# KiCad board ddr5-testbed.kicad_pcb
date: 2024-05-27; rev: 1.1.2
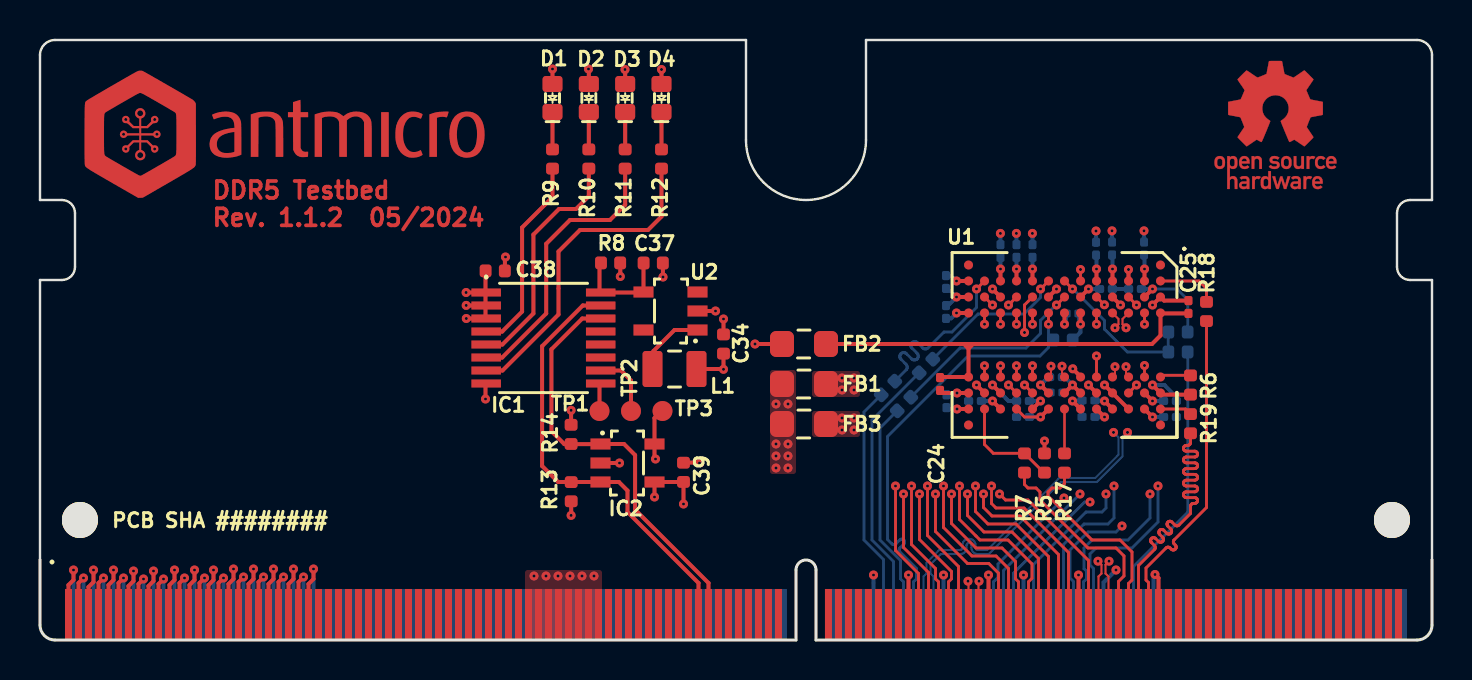
[diagram p0: board, top side]
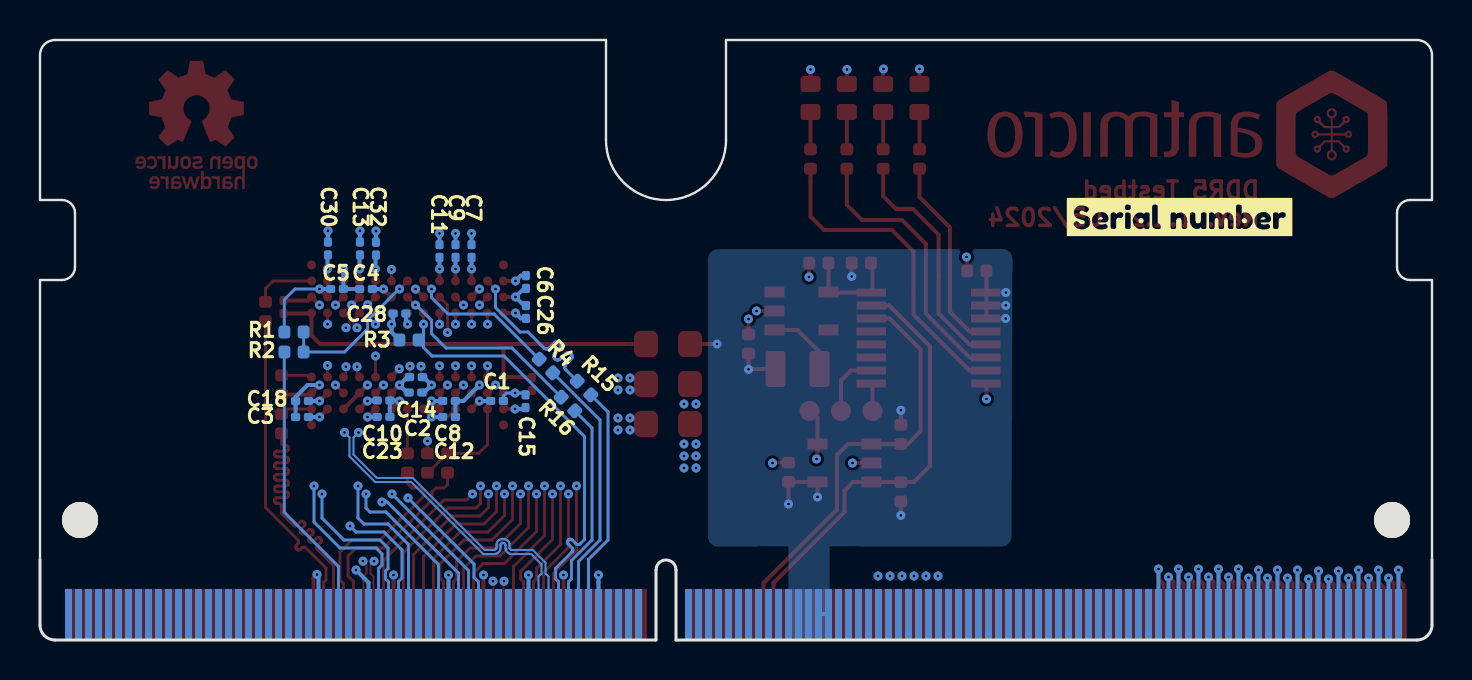
[diagram p1: board, bottom side, seen from below]

Outline 69.6 x 30 mm; copper layers: Top, In1.Cu (plane), In2.Cu (plane), In3.Cu, In4.Cu, Bottom. Coordinates in mm from the lower left corner of the outline.
Outline path: 0,4 0,18 1.1,18 arc(1.56,18.19) 1.75,18.65 1.75,21.35 arc(1.56,21.81) 1.1,22 0,22 0,29.25 arc(0.22,29.78) 0.75,30 35.3,30 35.3,25 arc(38.3,22) 41.3,25 41.3,30 68.85,30 arc(69.38,29.78) 69.6,29.25 69.6,22 68.5,22 arc(68.04,21.81) 67.85,21.35 67.85,18.65 arc(68.04,18.19) 68.5,18 69.6,18 69.6,4
Stack: Top 0.018mm / dielectric 0.11mm FR4 er 4.3 / In1.Cu 0.018mm / dielectric 0.4mm FR4 er 4.3 / In2.Cu 0.018mm / dielectric 0.11mm FR4 er 4.3 / In3.Cu 0.018mm / dielectric 0.4mm FR4 er 4.3 / In4.Cu 0.018mm / dielectric 0.11mm FR4 er 4.3 / Bottom 0.018mm

## Placement (name value [footprint] x y rotation side)
C1  C_100n_0201  [C_0201]  46.75 11.95 180 bottom
C2  C_100n_0201  [C_0201]  50.82 12.38 180 bottom
C3  C_100n_0201  [C_0201]  56.5 11.15 0 bottom
C4  C_100n_0201  [C_0201]  53.3 17.55 0 bottom
C5  C_100n_0201  [C_0201]  54.75 17.55 180 bottom
C6  C_100n_0201  [C_0201]  45.3 17.9 270 bottom
C7  C_100n_0201  [C_0201]  48.02 19.45 90 bottom
C8  C_100n_0201  [C_0201]  49.15 11.95 180 bottom
C9  C_100n_0201  [C_0201]  48.82 19.45 90 bottom
C10  C_100n_0201  [C_0201]  52.43 11.97 180 bottom
C11  C_100n_0201  [C_0201]  49.62 19.45 90 bottom
C12  C_100n_0201  [C_0201]  49.15 11.15 180 bottom
C13  C_100n_0201  [C_0201]  53.6 19.58 90 bottom
C14  C_100n_0201  [C_0201]  50.8 13.14 180 bottom
C15  C_100n_0201  [C_0201]  45.32 11.94 90 bottom
C18  C_100n_0201  [C_0201]  56.5 11.95 0 bottom
C23  C_100n_0201  [C_0201]  52.43 11.15 180 bottom
C24  C_100n_0201  [C_0201]  45 12.8 270 top
C25  C_100n_0201  [C_0201]  57.43 16.65 90 top
C26  C_100n_0201  [C_0201]  45.3 16.4 90 bottom
C28  C_100n_0201  [C_0201]  51.62 16.33 0 bottom
C30  C_100n_0201  [C_0201]  55.2 19.58 90 bottom
C32  C_100n_0201  [C_0201]  52.8 19.57 90 bottom
C34  C_4u7_0402  [C_0402_1005Metric]  34.18 14.8 90 top
C37  C_4u7_0402  [C_0402_1005Metric]  30.66 18.85 0 top
C38  C_100n_0402  [C_0402_1005Metric]  22.76 18.45 0 top
C39  C_100n_0402  [C_0402_1005Metric]  32.18 8.39 90 top
D1  LED_G_0603_KP-1608CGCK  [LED_0603_1608Metric_G]  25.62 27.1 90 top
D2  LED_G_0603_KP-1608CGCK  [LED_0603_1608Metric_G]  27.44 27.1 90 top
D3  LED_G_0603_KP-1608CGCK  [LED_0603_1608Metric_G]  29.26 27.1 90 top
D4  LED_G_0603_KP-1608CGCK  [LED_0603_1608Metric_G]  31.07 27.1 90 top
FB1  FB_220Z_1.5A_WE-CBF_0805  [FB_0805_2012Metric]  38.2 12.8 0 top
FB2  FB_220Z_1.5A_WE-CBF_0805  [FB_0805_2012Metric]  38.2 14.8 0 top
FB3  FB_220Z_1.5A_WE-CBF_0805  [FB_0805_2012Metric]  38.2 10.8 0 top
IC1  PCA6408A_TSSOP  [TSSOP-16_4.4x5mm_P0.65mm]  25.12 15.1 0 top
IC2  AT24CS01_SOT23  [SOT-23-5]  29.38 8.85 0 top
J1  -  [PCB-Edge_SODIMM_2x130_DDR4]  0 0 0 top
kibuzzard-623AE55E  G***  [label]  12.62 21.15 180 bottom
L1  L_2.2u_1.5A_0806  [L_0806_2016Metric]  31.72 13.55 180 top
N1  antmicro_logo  [antmicro-logo_scaled_20mm]  12.22 25.1 0 top
N2  oshw_logo  [oshw-logo]  61.78 25.75 0 top
R1  R_1k_0402  [R_0402_1005Metric]  56.9 15.4 180 bottom
R2  R_0R_0402  [R_0402_1005Metric]  56.9 14.4 0 bottom
R3  R_10k_0402  [R_0402_1005Metric]  51.15 15 0 bottom
R4  R_0R_0402  [R_0402_1005Metric]  44.3 13.7 225 bottom
R5  R_1k_0402  [R_0402_1005Metric]  50.22 8.85 270 top
R6  R_240R_0402  [R_0402_1005Metric]  57.53 12.75 270 top
R7  R_0R_0402  [R_0402_1005Metric]  49.22 8.85 270 top
R8  R_0R_0402  [R_0402_1005Metric]  28.53 18.86 180 top  (not fitted)
R9  R_220R_0402  [R_0402_1005Metric]  25.62 24.05 90 top
R10  R_220R_0402  [R_0402_1005Metric]  27.44 24.05 90 top
R11  R_220R_0402  [R_0402_1005Metric]  29.26 24.05 90 top
R12  R_220R_0402  [R_0402_1005Metric]  31.07 24.05 90 top
R13  R_10k_0402  [R_0402_1005Metric]  26.56 7.42 90 top
R14  R_10k_0402  [R_0402_1005Metric]  26.56 10.28 270 top
R15  R_0R_0402  [R_0402_1005Metric]  42.4 12.6 225 bottom
R16  R_0R_0402  [R_0402_1005Metric]  43.2 11.8 225 bottom
R17  R_0R_0402  [R_0402_1005Metric]  51.22 8.85 270 top
R18  R_0R_0402  [R_0402_1005Metric]  58.32 16.42 270 top
R19  R_0R_0402  [R_0402_1005Metric]  57.53 10.81 270 top
TP1  TP_1mm_SMD  [TP_SMD_1mm]  27.97 11.45 0 top
TP2  TP_1mm_SMD  [TP_SMD_1mm]  29.55 11.45 0 top
TP3  TP_1mm_SMD  [TP_SMD_1mm]  31.12 11.45 0 top
U1  MT60B2G8HB-48B_A  [BGA-82_11x9mm_Layout13x11_P0.8mm_DDR5_MO-210-AN]  51.22 14.75 270 top
U2  TPS613221A_SOT-23-5  [SOT-23-5]  31.53 16.45 180 top

## Library data of the parts
C1-C15 C18 C23-C26 C28 C30 C32 = -: Description: SMD Multilayer Ceramic Capacitor, 0.1 µF, 6.3 V, 0201 [0603 Metric], ± 10%, X6S, CC Series; Author: Antmicro; License: Apache-2.0; MPN: CC0201KRX6S5BB104; Manufacturer: YAGEO; Public: False; Val: 100n
C34 C37 = -: Author: Antmicro; License: Apache-2.0; MPN: GRM155R61A475MEAAD; Manufacturer: Murata; Val: 4u7
C38 C39 = -: Author: Antmicro; Dielectric: X5R; License: Apache-2.0; MPN: GRM155R61H104KE14D; Manufacturer: Murata; Val: 100n; Voltage: 50V
D1-D4 = -: Author: Antmicro; License: Apache-2.0; MPN: KP-1608CGCK; Manufacturer: Kingbright
FB1-FB3 = -: Description: Ferrite Bead, 0805 [2012 Metric], 220 ohm, 2 A, WE-CBF, 0.05 ohm, ± 25%, High Current; Author: Antmicro; Current: 1.5A; License: Apache-2.0; MPN: 742792022; Manufacturer: Würth Elektronik; Public: False; Val: 220Z/1.5A
IC1 = -: Description: Low-voltage, 8-bit I2C-bus and SMBus I/O expander; Author: Antmicro; License: Apache-2.0; MPN: PCA6408APW; Manufacturer: NXP
IC2 = -: Description: SOT-23-5; Author: Antmicro; License: Apache-2.0; MPN: AT24CS01-ST; Manufacturer: Atmel
J1 = -: Description: DDR SO-DIMM PCB Edge; Author: Antmicro; License: Apache-2.0; Public: False
L1 = -: Author: Antmicro; License: Apache-2.0; MPN: 1285AS-H-2R2M=P2; Manufacturer: Murata; Size: 2.0x1.6; Val: 2.2uH/1.5A
N1 N2 = -: Author: Antmicro; License: Apache-2.0
R1 R5 = -: Description: 1k resistor in 0402 package with 1% tolerance; Author: Antmicro; License: Apache-2.0; MPN: CR0402-FX-1001GLF; Manufacturer: Bourns; Tolerance: 1%; Val: 1k
R2 R4 R7 R8 R15-R19 = -: Description: 0R resistor in 0402 package with unspecified tolerance; Author: Antmicro; Current: 1A; License: Apache-2.0; MPN: ERJ2GE0R00X; Manufacturer: Panasonic; Val: 0R
R3 R13 R14 = -: Description: 10k resistor in 0402 package with 1% tolerance; Author: Antmicro; License: Apache-2.0; MPN: CR0402-FX-1002GLF; Manufacturer: Bourns; Tolerance: 1%; Val: 10k
R6 = -: Description: 240R resistor in 0402 package with 1% tolerance; Author: Antmicro; License: Apache-2.0; MPN: CR0402-FX-2400GLF; Manufacturer: Bourns; Tolerance: 1%; Val: 240R
R9-R12 = -: Description: 220R resistor in 0402 package with 1% tolerance; Author: Antmicro; License: Apache-2.0; MPN: CR0402-FX-2200GLF; Manufacturer: Bourns; Tolerance: 1%; Val: 220R
TP1-TP3 = -: Description: Test Point 1mm; Author: Antmicro; License: Apache-2.0
U1 = -: Description: DRAM, SDRAM, 16 Gbit, 2G x 8bit, FBGA, 82 Pins; Author: Antmicro; License: Apache-2.0; MPN: MT60B2G8HB-48B:A; Manufacturer: Micron Technology
U2 = -: Description: 1.8-A switch current boost converter 6.5-μA Quiescent current; Author: Antmicro; License: Apache-2.0; MPN: TPS613221ADBVT; Manufacturer: Texas Instruments

## Footprints (pads in the part's own frame, mm; a bottom-side part is the same pattern mirrored in y, then rotated)
BGA-82_11x9mm_Layout13x11_P0.8mm_DDR5_MO-210-AN
  round 0.45 smd: A1(-4,4.8) A2(-3.202,4.8) A3(-2.4,4.8) A4(-1.601,4.8) A8(1.6,4.8) A9(2.398,4.8) A10(3.2,4.8) A11(3.999,4.8) B2(-3.202,4) B3(-2.4,4) B4(-1.601,4) B8(1.6,4) B9(2.398,4) B10(3.2,4) C2(-3.202,3.202) C3(-2.4,3.202) C4(-1.601,3.202) C8(1.6,3.202) C9(2.398,3.202) C10(3.2,3.202) D2(-3.202,2.4) D3(-2.4,2.4) D4(-1.601,2.4) D8(1.6,2.4) D9(2.398,2.4) D10(3.2,2.4) E2(-3.202,1.601) E3(-2.4,1.601) E4(-1.601,1.601) E8(1.6,1.601) E9(2.398,1.601) E10(3.2,1.601) F2(-3.202,0.804) F3(-2.4,0.804) F4(-1.601,0.804) F8(1.6,0.804) F9(2.398,0.804) F10(3.2,0.804) G2(-3.202,0) G3(-2.4,0) G4(-1.601,0) G8(1.6,0) G9(2.398,0) G10(3.2,0) H2(-3.202,-0.8) H3(-2.4,-0.8) H4(-1.601,-0.8) H8(1.6,-0.8) H9(2.398,-0.8) H10(3.2,-0.8) J2(-3.202,-1.6) J3(-2.4,-1.6) J4(-1.601,-1.6) J8(1.6,-1.6) J9(2.398,-1.6) J10(3.2,-1.6) K2(-3.202,-2.398) K3(-2.4,-2.398) K4(-1.601,-2.398) K8(1.6,-2.398) K9(2.398,-2.398) K10(3.2,-2.398) L2(-3.202,-3.2) L3(-2.4,-3.2) L4(-1.601,-3.2) L8(1.6,-3.2) L9(2.398,-3.2) L10(3.2,-3.2) M2(-3.202,-3.999) M3(-2.4,-3.999) M4(-1.601,-3.999) M8(1.6,-3.999) M9(2.398,-3.999) M10(3.2,-3.999) N1(-4,-4.799) N2(-3.202,-4.799) N3(-2.4,-4.799) N4(-1.601,-4.799) N8(1.6,-4.799) N9(2.398,-4.799) N10(3.2,-4.799) N11(3.999,-4.799)
C_0201
  rrect 0.318x0.36 smd: (-0.349,0.002) (0.341,0.002)
  rrect 0.46x0.4 smd: 1(-0.321,0.002) 2(0.32,0.002)
C_0402_1005Metric
  rrect 0.59x0.64 smd: 1(-0.48,0) 2(0.48,0)
FB_0805_2012Metric
  rrect 1.2x1.3 smd: 1(-1.1,0) 2(1.1,0)
L_0806_2016Metric
  rrect 1x1.8 smd: 1(-1.1,0.001) 2(1.1,0.001)
LED_0603_1608Metric_G
  rrect 0.8x1 smd: 1(-0.7,0) 2(0.7,0)
PCB-Edge_SODIMM_2x130_DDR4
  round 1.8 hole 1.8 unplated: (1.999,6) (67.599,6)
  rect 0.35x2.5 smd: 1(1.425,1.301) 3(1.925,1.301) 5(2.423,1.301) 7(2.923,1.301) 9(3.423,1.301) 11(3.923,1.301) 13(4.424,1.301) 15(4.924,1.301) 17(5.424,1.301) 19(5.924,1.301) 21(6.424,1.301) 23(6.924,1.301) 25(7.424,1.301) 27(7.924,1.301) 29(8.425,1.301) 31(8.925,1.301) 33(9.425,1.301) 35(9.925,1.301) 37(10.425,1.301) 39(10.925,1.301) 41(11.425,1.301) 43(11.925,1.301) 45(12.425,1.301) 47(12.925,1.301) 49(13.425,1.301) 51(13.925,1.301) 53(14.425,1.301) 55(14.925,1.301) 57(15.425,1.301) 59(15.925,1.301) 61(16.425,1.301) 63(16.925,1.301) 65(17.425,1.301) 67(17.925,1.301) 69(18.425,1.301) 71(18.925,1.301) 73(19.425,1.301) 75(19.925,1.301) 77(20.425,1.301) 79(20.925,1.301) 81(21.425,1.301) 83(21.925,1.301) 85(22.425,1.301) 87(22.925,1.301) 89(23.425,1.301) 91(23.925,1.301) 93(24.425,1.301) 95(24.925,1.301) 97(25.425,1.301) 99(25.925,1.301) 101(26.425,1.301) 103(26.925,1.301) 105(27.425,1.301) 107(27.925,1.301) 109(28.425,1.301) 111(28.925,1.301) 113(29.425,1.301) 115(29.925,1.301) 117(30.425,1.301) 119(30.925,1.301) 121(31.425,1.301) 123(31.925,1.301) 125(32.423,1.301) 127(32.923,1.301) 129(33.423,1.301) 131(33.923,1.301) 133(34.423,1.301) 135(34.923,1.301) 137(35.423,1.301) 139(35.923,1.301) 141(36.423,1.301) 143(36.923,1.301) 145(39.423,1.301) 147(39.923,1.301) 149(40.423,1.301) 151(40.923,1.301) 153(41.423,1.301) 155(41.923,1.301) 157(42.423,1.301) 159(42.923,1.301) 161(43.423,1.301) 163(43.923,1.301) 165(44.423,1.301) 167(44.923,1.301) 169(45.423,1.301) 171(45.923,1.301) 173(46.423,1.301) 175(46.923,1.301) 177(47.423,1.301) 179(47.923,1.301) 181(48.423,1.301) 183(48.923,1.301) 185(49.423,1.301) 187(49.923,1.301) 189(50.423,1.301) 191(50.923,1.301) 193(51.423,1.301) 195(51.923,1.301) 197(52.423,1.301) 199(52.923,1.301) 201(53.423,1.301) 203(53.923,1.301) 205(54.423,1.301) 207(54.923,1.301) 209(55.423,1.301) 211(55.923,1.301) 213(56.423,1.301) 215(56.923,1.301) 217(57.423,1.301) 219(57.923,1.301) 221(58.423,1.301) 223(58.923,1.301) 225(59.423,1.301) 227(59.923,1.301) 229(60.423,1.301) 231(60.923,1.301) 233(61.423,1.301) 235(61.923,1.301) 237(62.423,1.301) 239(62.923,1.301) 241(63.423,1.301) 243(63.923,1.301) 245(64.424,1.301) 247(64.924,1.301) 249(65.424,1.301) 251(65.924,1.301) 253(66.424,1.301) 255(66.924,1.301) 257(67.424,1.301) 259(67.924,1.301)
  rect 0.35x2.5 smd far side: 2(1.675,1.301) 4(2.173,1.301) 6(2.673,1.301) 8(3.173,1.301) 10(3.673,1.301) 12(4.174,1.301) 14(4.674,1.301) 16(5.174,1.301) 18(5.674,1.301) 20(6.174,1.301) 22(6.674,1.301) 24(7.174,1.301) 26(7.674,1.301) 28(8.175,1.301) 30(8.675,1.301) 32(9.175,1.301) 34(9.675,1.301) 36(10.175,1.301) 38(10.675,1.301) 40(11.175,1.301) 42(11.675,1.301) 44(12.175,1.301) 46(12.675,1.301) 48(13.175,1.301) 50(13.675,1.301) 52(14.175,1.301) 54(14.675,1.301) 56(15.175,1.301) 58(15.675,1.301) 60(16.175,1.301) 62(16.675,1.301) 64(17.175,1.301) 66(17.675,1.301) 68(18.175,1.301) 70(18.675,1.301) 72(19.175,1.301) 74(19.675,1.301) 76(20.175,1.301) 78(20.675,1.301) 80(21.175,1.301) 82(21.675,1.301) 84(22.175,1.301) 86(22.675,1.301) 88(23.175,1.301) 90(23.675,1.301) 92(24.175,1.301) 94(24.675,1.301) 96(25.175,1.301) 98(25.675,1.301) 100(26.175,1.301) 102(26.675,1.301) 104(27.175,1.301) 106(27.675,1.301) 108(28.175,1.301) 110(28.675,1.301) 112(29.175,1.301) 114(29.675,1.301) 116(30.175,1.301) 118(30.675,1.301) 120(31.175,1.301) 122(31.675,1.301) 124(32.173,1.301) 126(32.673,1.301) 128(33.173,1.301) 130(33.673,1.301) 132(34.173,1.301) 134(34.673,1.301) 136(35.173,1.301) 138(35.673,1.301) 140(36.173,1.301) 142(36.673,1.301) 144(37.173,1.301) 146(39.673,1.301) 148(40.173,1.301) 150(40.673,1.301) 152(41.173,1.301) 154(41.673,1.301) 156(42.173,1.301) 158(42.673,1.301) 160(43.173,1.301) 162(43.673,1.301) 164(44.173,1.301) 166(44.673,1.301) 168(45.173,1.301) 170(45.673,1.301) 172(46.173,1.301) 174(46.673,1.301) 176(47.173,1.301) 178(47.673,1.301) 180(48.173,1.301) 182(48.673,1.301) 184(49.173,1.301) 186(49.673,1.301) 188(50.173,1.301) 190(50.673,1.301) 192(51.173,1.301) 194(51.673,1.301) 196(52.173,1.301) 198(52.673,1.301) 200(53.173,1.301) 202(53.673,1.301) 204(54.173,1.301) 206(54.673,1.301) 208(55.173,1.301) 210(55.673,1.301) 212(56.173,1.301) 214(56.673,1.301) 216(57.173,1.301) 218(57.673,1.301) 220(58.173,1.301) 222(58.673,1.301) 224(59.173,1.301) 226(59.673,1.301) 228(60.173,1.301) 230(60.673,1.301) 232(61.173,1.301) 234(61.673,1.301) 236(62.173,1.301) 238(62.673,1.301) 240(63.173,1.301) 242(63.673,1.301) 244(64.174,1.301) 246(64.674,1.301) 248(65.174,1.301) 250(65.674,1.301) 252(66.174,1.301) 254(66.674,1.301) 256(67.174,1.301) 258(67.674,1.301) 260(68.174,1.301)
R_0402_1005Metric
  rrect 0.59x0.64 smd: 1(-0.48,0) 2(0.48,0)
SOT-23-5
  rect 1x0.55 smd: 1(-1.351,0.951) 2(-1.351,0) 3(-1.351,-0.949) 4(1.35,-0.949) 5(1.35,0.951)
TP_SMD_1mm
  round 1 smd: 1(0,0)
TSSOP-16_4.4x5mm_P0.65mm
  rect 1.475x0.4 smd: 1(-2.815,2.275) 2(-2.815,1.625) 3(-2.815,0.975) 4(-2.815,0.325) 5(-2.815,-0.325) 6(-2.815,-0.975) 7(-2.815,-1.625) 8(-2.815,-2.275) 9(2.91,-2.275) 10(2.91,-1.625) 11(2.91,-0.975) 12(2.91,-0.325) 13(2.91,0.325) 14(2.91,0.975) 15(2.91,1.625) 16(2.91,2.275)

## Nets
1V1_SYS: FB1.1 FB3.1 J1.93 J1.95 J1.97 J1.99 J1.101 J1.103 J1.105 J1.107
1V8_SYS: C34.1 C38.1 C39.1 FB2.1 IC1.1 IC1.2 IC1.3 IC2.4 J1.116 J1.118 J1.120 J1.122 J1.124 L1.1 R8.1 R13.1 R14.1
/EEPROM/VDD_LED: C37.1 IC1.16 R8.2 U2.4
GND: C1.2 C2.2 C3.2 C4.2 C5.2 C6.2 C7.2 C8.2 C9.2 C10.2 C11.2 C12.2 C13.2 C14.2 C15.2 C18.2 C23.2 C24.2 C25.2 C26.2 C28.2 C30.2 C32.2 C34.2 C37.2 C38.2 C39.2 D1.2 D2.2 D3.2 D4.2 IC1.8 IC2.2 IC2.5 J1.1 J1.2 J1.3 J1.4 J1.5 J1.6 J1.7 J1.8 J1.9 J1.10 J1.11 J1.12 J1.13 J1.14 J1.15 J1.16 J1.17 J1.18 J1.19 J1.20 J1.21 J1.22 J1.23 J1.24 J1.25 J1.26 J1.27 J1.28 J1.29 J1.30 J1.31 J1.32 J1.33 J1.34 J1.35 J1.36 J1.37 J1.38 J1.39 J1.40 J1.41 J1.42 J1.43 J1.44 J1.45 J1.46 J1.47 J1.48 J1.49 J1.50 J1.154 J1.161 J1.168 J1.177 J1.184 J1.195 J1.200 J1.210 J1.211 R3.2 R6.2 TP3.1 U1.A3 U1.A9 U1.C2 U1.C10 U1.D3 U1.D9 U1.F2 U1.F4 U1.F8 U1.F10 U1.H3 U1.H9 U1.L3 U1.L9 U1.N3 U1.N9 U2.2
VDD: C3.1 C6.1 C9.1 C12.1 C15.1 C23.1 C26.1 C28.1 C30.1 C32.1 FB1.2 U1.B2 U1.B10 U1.E2 U1.E10 U1.G4 U1.H10 U1.K2 U1.K10 U1.N2 U1.N4 U1.N10
VDDQ: C1.1 C2.1 C4.1 C5.1 C7.1 C8.1 C10.1 C11.1 C13.1 C14.1 C18.1 FB3.2 R1.1 R5.1 U1.B3 U1.B9 U1.D2 U1.D10 U1.F3 U1.F9 U1.G9 U1.J2 U1.J10 U1.L2 U1.L10
/DDR5/R_ALERT_N: R4.1 U1.H2
/DDR5/R_CAI: R15.1 U1.M2
/DDR5/R_LBDQ: R18.1 U1.A2
/DDR5/R_LBDQS: R19.1 U1.A10
/DDR5/R_MIR: R16.1 U1.G3
/DDR5/R_ODT_CA_A: R1.2 R2.1 U1.G2
/DDR5/R_RESET_N: R5.2 R7.1 U1.M10
/DDR5/R_TEN: R17.1 U1.G10
/DDR5/ZQ: R6.1 U1.A8
ALERT_N: J1.158 R4.2
CA0: J1.181 U1.J4
CA1: J1.197 U1.J8
CA2: J1.171 U1.K4
CA3: J1.191 U1.K8
CA4: J1.179 U1.J3
CA5: J1.193 U1.J9
CA6: J1.169 U1.K3
CA7: J1.189 U1.K9
CA8: J1.167 U1.L4
CA9: J1.187 U1.L8
CA10: J1.165 U1.M3
CA11: J1.183 U1.M9
CA12: J1.163 U1.M4
CA13: J1.185 U1.M8
CAI: J1.156 R15.2
CLK_N: J1.173 U1.H8
CLK_P: J1.175 U1.G8
CS_N: J1.162 R3.1 U1.H4
DQ0: J1.198 U1.C3
DQ1: J1.192 U1.C9
DQ2: J1.196 U1.B4
DQ3: J1.194 U1.B8
DQ4: J1.186 U1.E3
DQ5: J1.180 U1.E9
DQ6: J1.178 U1.E4
DQ7: J1.182 U1.E8
DQS_N: J1.199 U1.D4
DQS_P: J1.201 U1.C4
LBDQ: J1.209 R18.2
LBDQS: J1.207 R19.2
MIR: J1.160 R16.2
OTD_CA_A: J1.206 R2.2
RESET_N: J1.203 R7.2
SCL: IC1.14 IC2.1 J1.129 R14.2
SDA: IC1.15 IC2.3 J1.127 R13.2
TDQS_N: J1.164 U1.D8
TDQS_P: J1.166 U1.C8
TEN: J1.205 R17.2
VPP: C24.1 C25.1 FB2.2 U1.A4 U1.N8
Net-(D1-Pad1): D1.1 R9.2
Net-(D2-Pad1): D2.1 R10.2
Net-(D3-Pad1): D3.1 R11.2
Net-(D4-Pad1): D4.1 R12.2
Net-(IC1-P0): IC1.4 R9.1
Net-(IC1-P1): IC1.5 R10.1
Net-(IC1-P2): IC1.6 R11.1
Net-(IC1-P3): IC1.7 R12.1
Net-(IC1-P4): IC1.9 TP1.1
Net-(IC1-P5): IC1.10 TP2.1
Net-(U2-SW): L1.2 U2.1

Pads without a net: IC1 11 12 13; J1 51 52 53 54 55 56 57 58 59 60 61 62 63 64 65 66 67 68 69 70 71 72 73 74 75 76 77 78 79 80 81 82 83 84 85 86 87 88 89 90 91 92 94 96 98 100 102 104 106 108 109 110 111 112 113 114 115 117 119 121 123 125 126 128 130 131 132 133 134 135 136 137 138 139 140 141 142 143 144 145 146 147 148 149 150 151 152 153 155 157 159 170 172 174 176 188 190 202 204 208 212 213 214 215 216 217 218 219 220 221 222 223 224 225 226 227 228 229 230 231 232 233 234 235 236 237 238 239 240 241 242 243 244 245 246 247 248 249 250 251 252 253 254 255 256 257 258 259 260; U1 A1 A11 N1 N11; U2 3 5

## Via types
v1: diameter 0.45, hole 0.15, Top to Bottom, 180 vias

## Routing (per net, layer and track width the routed paths; a pad name or vN(x,y) marks a point on that pad's centre or on a via; arc(x,y) is an arc through that point)
1V1_SYS:
  vias: v1(24.7,3.2) v1(25.3,3.2) v1(25.9,3.2) v1(26.5,3.2) v1(27.1,3.2) v1(27.7,3.2) v1(36.8,11.8) v1(36.8,9.8) v1(36.8,9.2) v1(36.8,8.6) v1(37.4,11.8) v1(37.4,9.8) v1(37.4,9.2) v1(37.4,8.6)
1V8_SYS: length 14.8
  Top w0.2: 22.28,16.72 21.31,16.72 v1(21.31,16.73) ; 22.28,16.72 22.28,17.38 ; 22.28,16.72 22.28,16.08 v1(21.31,16.08) ; 22.28,17.38 22.28,18.45 ; 22.28,17.38 v1(21.31,17.38) ; 29.01,18.86 v1(29.01,18.17) ; v1(26.56,6.23) 26.56,6.23 26.56,6.93 ; 26.56,10.77 v1(26.56,11.48) ; v1(30.72,7.15) IC2.4 32.18,7.9 v1(32.18,6.8) ; 34.18,14.31 v1(34.18,13.53) 34.16,13.55 32.78,13.55 ; 37.15,14.8 v1(35.75,14.8)
  Bottom w0.2: J1.118 J1.116
/EEPROM/VDD_LED: length 5.2
  Top w0.2: 28.04,18.86 27.97,18.78 27.97,17.38 30.15,17.38 U2.4 30.18,18.85
GND: length 164.6
  Top w0.145: 52.03,17.95 v1(52.03,18.53)
  Top w0.2: 12.92,1.35 12.92,2.9 v1(13.17,3.15) ; 13.42,1.35 13.42,2.8 13.67,3.05 v1(13.67,3.55) ; J1.3 1.92,2.85 v1(2.17,3.1) ; v1(3.67,3.5) 3.67,3 3.42,2.75 J1.9 ; v1(55.62,16.75) U1.A3 56.21,16.97 C25.2 ; v1(53.22,12.75) 54.43,11.55 ; v1(5.17,3.05) 4.92,2.8 4.92,1.25 ; v1(27.42,28.55) 27.44,28.53 27.44,27.85 ; 50.43,12.35 v1(50.03,12.75) ; 9.92,1.35 9.92,2.9 v1(10.17,3.15) ; 10.42,1.35 10.42,2.8 10.67,3.05 v1(10.67,3.55) ; 10.92,1.35 10.92,2.9 v1(11.17,3.15) ; v1(9.67,3.55) 9.67,3.05 9.42,2.8 9.42,1.35 ; v1(11.67,3.55) 11.67,3.05 11.42,2.8 11.42,1.35 ; 46.43,17.15 v1(45.82,17.15) ; v1(3.17,3.1) 2.92,2.85 J1.7 ; v1(2.67,3.5) 2.67,2.9 2.42,2.65 J1.5 ; v1(31.15,18.15) 31.15,18.16 31.15,18.85 ; U1.L3 v1(47.62,17.55) ; v1(7.22,3.1) 6.97,2.85 6.97,1.3 ; 31.07,27.85 v1(31.07,28.53) ; 6.47,1.3 6.47,2.75 6.72,3 v1(6.72,3.5) ; v1(12.67,3.55) 12.67,3.05 12.42,2.8 12.42,1.35 ; 23.25,18.45 23.25,19.12 v1(23.28,19.15) ; v1(55.62,12.75) 56.11,12.27 57.53,12.27 ; J1.211 55.93,3.1 v1(55.75,3.28) ; v1(50.82,17.55) 50.43,17.15 U1.H3 ; v1(4.67,3.45) 4.67,2.95 4.42,2.7 4.42,1.25 ; U1.D3 v1(54.03,16.75) ; 52.03,16.35 v1(52.03,15.79) ; v1(7.72,3.5) 7.72,3 7.47,2.75 7.47,1.3 ; 25.62,27.85 v1(25.62,28.55) ; J1.29 8.42,2.75 8.67,3 v1(8.67,3.5) ; 5.92,1.25 5.92,2.8 v1(6.17,3.05) ; J1.195 v1(51.93,3.25) ; IC2.2 v1(28.97,8.85) ; 7.97,1.3 7.97,2.85 v1(8.22,3.1) ; 11.92,1.35 11.92,2.9 v1(12.17,3.15) ; 52.03,11.55 v1(51.62,11.95) ; J1.177 v1(47.43,3.25) ; 5.42,1.25 5.42,2.7 5.67,2.95 v1(5.67,3.45) ; J1.11 3.92,2.85 v1(4.17,3.1) ; 31.12,11.5 30.72,11.1 IC2.5 30.72,9.1 v1(30.78,9.05) ; 54.43,17.95 v1(54.43,18.53) ; U2.2 v1(33.78,16.45) ; 22.28,12.83 v1(22.28,12.05) ; 52.03,13.15 52.03,13.17 v1(51.64,13.56) ; 45,12.48 45.13,12.35 v1(45.85,12.35) 46.43,12.35 ; J1.161 v1(43.43,3.25) ; v1(29.25,28.53) 29.26,28.52 29.26,27.85 ; v1(9.17,3.1) 8.92,2.85 J1.31 ; 48.03,12.35 v1(47.62,12.75) ; v1(1.67,3.5) 1.67,3 1.42,2.75 J1.1 ; v1(32.97,8.85) 32.96,8.87 32.18,8.87 ; 34.18,15.28 v1(34.18,16.05)
  Bottom w0.102: 45.18,1.8 v1(45.18,3.25)
  Bottom w0.145: 45.32,12.26 45.41,12.35 v1(45.85,12.35) 46.28,12.35 46.43,12.2 46.43,11.95
  Bottom w0.2: 13.17,1.35 v1(13.17,3.15) ; 13.67,1.35 v1(13.67,3.55) ; v1(51.62,11.95) 51.65,11.97 52.1,11.97 52.1,11.15 ; v1(49.62,20.33) 49.62,20.33 49.62,19.77 ; 3.17,1.3 v1(3.17,3.1) ; 53.6,19.89 v1(53.6,20.46) ; 11.17,1.35 v1(11.17,3.15) ; 51.63,15 52.03,15.39 v1(52.03,15.79) 51.94,15.87 C28.2 ; v1(55.75,3.28) 55.68,3.2 55.68,1.3 ; 56.82,11.15 56.82,12.15 56.22,12.75 v1(55.62,12.75) ; 45.3,17.58 45.4,17.58 v1(45.82,17.15) 45.4,16.72 45.3,16.72 ; C2.2 50.4,12.38 v1(50.03,12.75) 50.4,13.12 50.48,13.12 ; 49.18,1.3 v1(49.18,3.25) ; 4.17,1.3 v1(4.17,3.1) ; 10.17,1.35 v1(10.17,3.15) ; 53.18,1.3 53.18,2.88 v1(53.8,3.5) ; 5.67,1.25 v1(5.67,3.45) ; 2.67,1.3 v1(2.67,3.5) ; J1.32 v1(9.17,3.1) ; 11.67,1.35 v1(11.67,3.55) ; 7.22,1.3 v1(7.22,3.1) ; v1(47.62,12.75) 48.43,11.95 48.83,11.95 48.83,11.15 ; 6.72,1.3 v1(6.72,3.5) ; 12.17,1.35 v1(12.17,3.15) ; 9.67,1.35 v1(9.67,3.55) ; 12.67,1.35 v1(12.67,3.55) ; 55.2,19.89 v1(55.2,20.46) ; v1(54.43,18.53) 54.43,18.52 54.43,17.55 53.62,17.55 ; v1(41.68,3.25) 41.68,1.3 ; J1.30 v1(8.67,3.5) ; 45.18,1.8 45.18,1.3 v1(45.18,3.25) ; 6.17,1.25 v1(6.17,3.05) ; J1.2 v1(1.67,3.5) ; 3.67,1.3 v1(3.67,3.5) ; 8.22,1.3 v1(8.22,3.1) ; 48.02,19.77 v1(48.02,20.33) ; 10.67,1.35 v1(10.67,3.55) ; 48.82,19.77 v1(48.82,20.33) ; 7.72,1.3 v1(7.72,3.5) ; 5.17,1.25 v1(5.17,3.05) ; 52.8,19.89 v1(52.8,20.45) ; 4.67,1.25 v1(4.67,3.45) ; 2.17,1.3 v1(2.17,3.1)
VDD: length 13.2
  Top w0.145: 48.82,11.55 49.22,11.15 v1(50.03,11.15)
  Top w0.2: 46.43,11.55 v1(45.85,11.55) ; 51.22,16.35 v1(51.22,15.79) ; 46.43,17.95 v1(45.82,17.95) ; U1.B10 v1(55.62,11.15) ; 55.22,17.95 v1(55.22,18.55) ; 52.82,11.55 v1(53.22,11.15) ; 48.82,17.95 v1(48.82,18.55) ; U1.H10 v1(50.03,11.15) ; 46.43,16.35 v1(45.82,16.35) ; 52.82,17.95 v1(52.82,18.55)
  Bottom w0.2: 56.18,11.15 v1(55.62,11.15) ; C28.1 51.31,15.87 v1(51.22,15.79) ; v1(53.22,11.15) 52.75,11.15 ; 45.3,18.22 45.56,18.22 v1(45.82,17.95) ; 48.82,19.13 48.82,19.12 v1(48.82,18.55) ; 49.47,11.15 v1(50.03,11.15) ; 45.32,11.62 45.39,11.55 v1(45.85,11.55) ; v1(55.22,18.55) 55.22,19.23 55.2,19.25 ; v1(52.82,18.55) 52.82,19.25 ; 45.3,16.08 45.56,16.08 v1(45.82,16.35)
  vias: v1(40.1,13.1) v1(40.1,12.5) v1(40.7,13.1) v1(40.7,12.5)
VDDQ: length 17
  Top w0.2: U1.J10 v1(50.03,11.95) ; v1(55.62,17.55) U1.B3 ; U1.L10 v1(47.62,11.95) ; U1.D10 v1(53.22,11.95) ; 51.22,12.35 v1(51.62,12.75) 52.03,12.35 ; 48.03,17.95 v1(48.03,18.55) ; v1(52.43,17.55) 52.03,17.15 ; 50.22,9.33 v1(50.22,9.95) ; 53.62,17.95 v1(53.62,18.55) ; 49.62,17.95 v1(49.62,18.55) ; 55.22,12.35 v1(55.62,11.95)
  Bottom w0.145: 57.38,15.4 57.38,17.02 56.85,17.55 v1(55.62,17.55)
  Bottom w0.2: v1(53.22,11.95) 53.2,11.97 52.75,11.97 ; 47.07,11.95 v1(47.62,11.95) ; 51.12,13.12 51.25,13.12 v1(51.62,12.75) 51.25,12.38 51.15,12.38 ; v1(49.62,18.55) 49.62,19.13 ; v1(55.62,17.55) 55.07,17.55 ; 56.18,11.95 v1(55.62,11.95) ; 49.47,11.95 v1(50.03,11.95) ; 48.02,19.13 48.03,19.12 v1(48.03,18.55) ; 53.6,19.25 53.62,19.23 v1(53.62,18.55) ; 52.98,17.55 v1(52.43,17.55)
  vias: v1(40.1,11.1) v1(40.1,10.5) v1(40.7,11.1) v1(40.7,10.5)
/DDR5/R_ALERT_N: length 7.6
  Top w0.145: 50.43,17.95 v1(50.03,17.55)
  Bottom w0.145: v1(50.03,17.55) 50.03,17.12 49.2,16.3 46.9,16.3 44.64,14.04
/DDR5/R_CAI: length 9.4
  Top w0.145: 47.22,17.95 v1(46.82,17.55)
  Bottom w0.145: v1(46.82,17.55) 46.82,16.62 45.6,15.4 45.2,15.4 44.41,14.61 44.37,14.58 44.33,14.56 44.29,14.55 44.25,14.55 44.21,14.56 44.17,14.58 44.13,14.61 43.87,14.87 43.84,14.89 43.8,14.91 43.76,14.92 43.71,14.92 43.67,14.91 43.63,14.89 43.6,14.87 43.57,14.83 43.55,14.79 43.54,14.75 43.54,14.71 43.55,14.66 43.57,14.63 43.6,14.59 43.86,14.33 43.88,14.3 43.9,14.26 43.91,14.22 43.91,14.17 43.9,14.13 43.88,14.09 43.86,14.06 43.82,14.03 43.78,14.01 43.74,14 43.7,14 43.65,14.01 43.61,14.03 43.58,14.06 43.32,14.32 43.29,14.34 43.25,14.36 43.21,14.37 43.16,14.37 43.12,14.36 43.08,14.34 43.05,14.32 43.02,14.28 43,14.24 42.99,14.2 42.99,14.16 43,14.11 43.02,14.07 43.05,14.04 43.3,13.78 43.33,13.75 43.35,13.71 43.36,13.66 43.36,13.62 43.35,13.58 43.33,13.54 43.31,13.5 42.74,12.94
/DDR5/R_LBDQ: length 3.1
  Top w0.145: 56.03,17.95 57.95,17.95 58.32,17.58 58.32,16.91
/DDR5/R_LBDQS: length 1.6
  Top w0.145: U1.A10 57.28,11.55 57.53,11.3
/DDR5/R_MIR: length 10.1
  Top w0.145: U1.G3 v1(50.82,16.75)
  Bottom w0.145: v1(50.82,16.75) 50.79,16.75 50.02,15.98 50.02,15.32 49.3,14.6 46,14.6 43.54,12.14
/DDR5/R_ODT_CA_A: length 7.9
  Top w0.145: 51.22,17.95 v1(51.62,17.55)